# Altium PCB ECE453.PcbDoc
Units mm, origin at the board's own origin, x right, y up, seen from the top; angles counter-clockwise.
Board outline 95 x 95 mm, 2 copper layers (Top Layer, Bottom Layer); 112 components, 115 nets, 362 pads, 204 vias.
Unrouted connection lines stored in the file: 41.
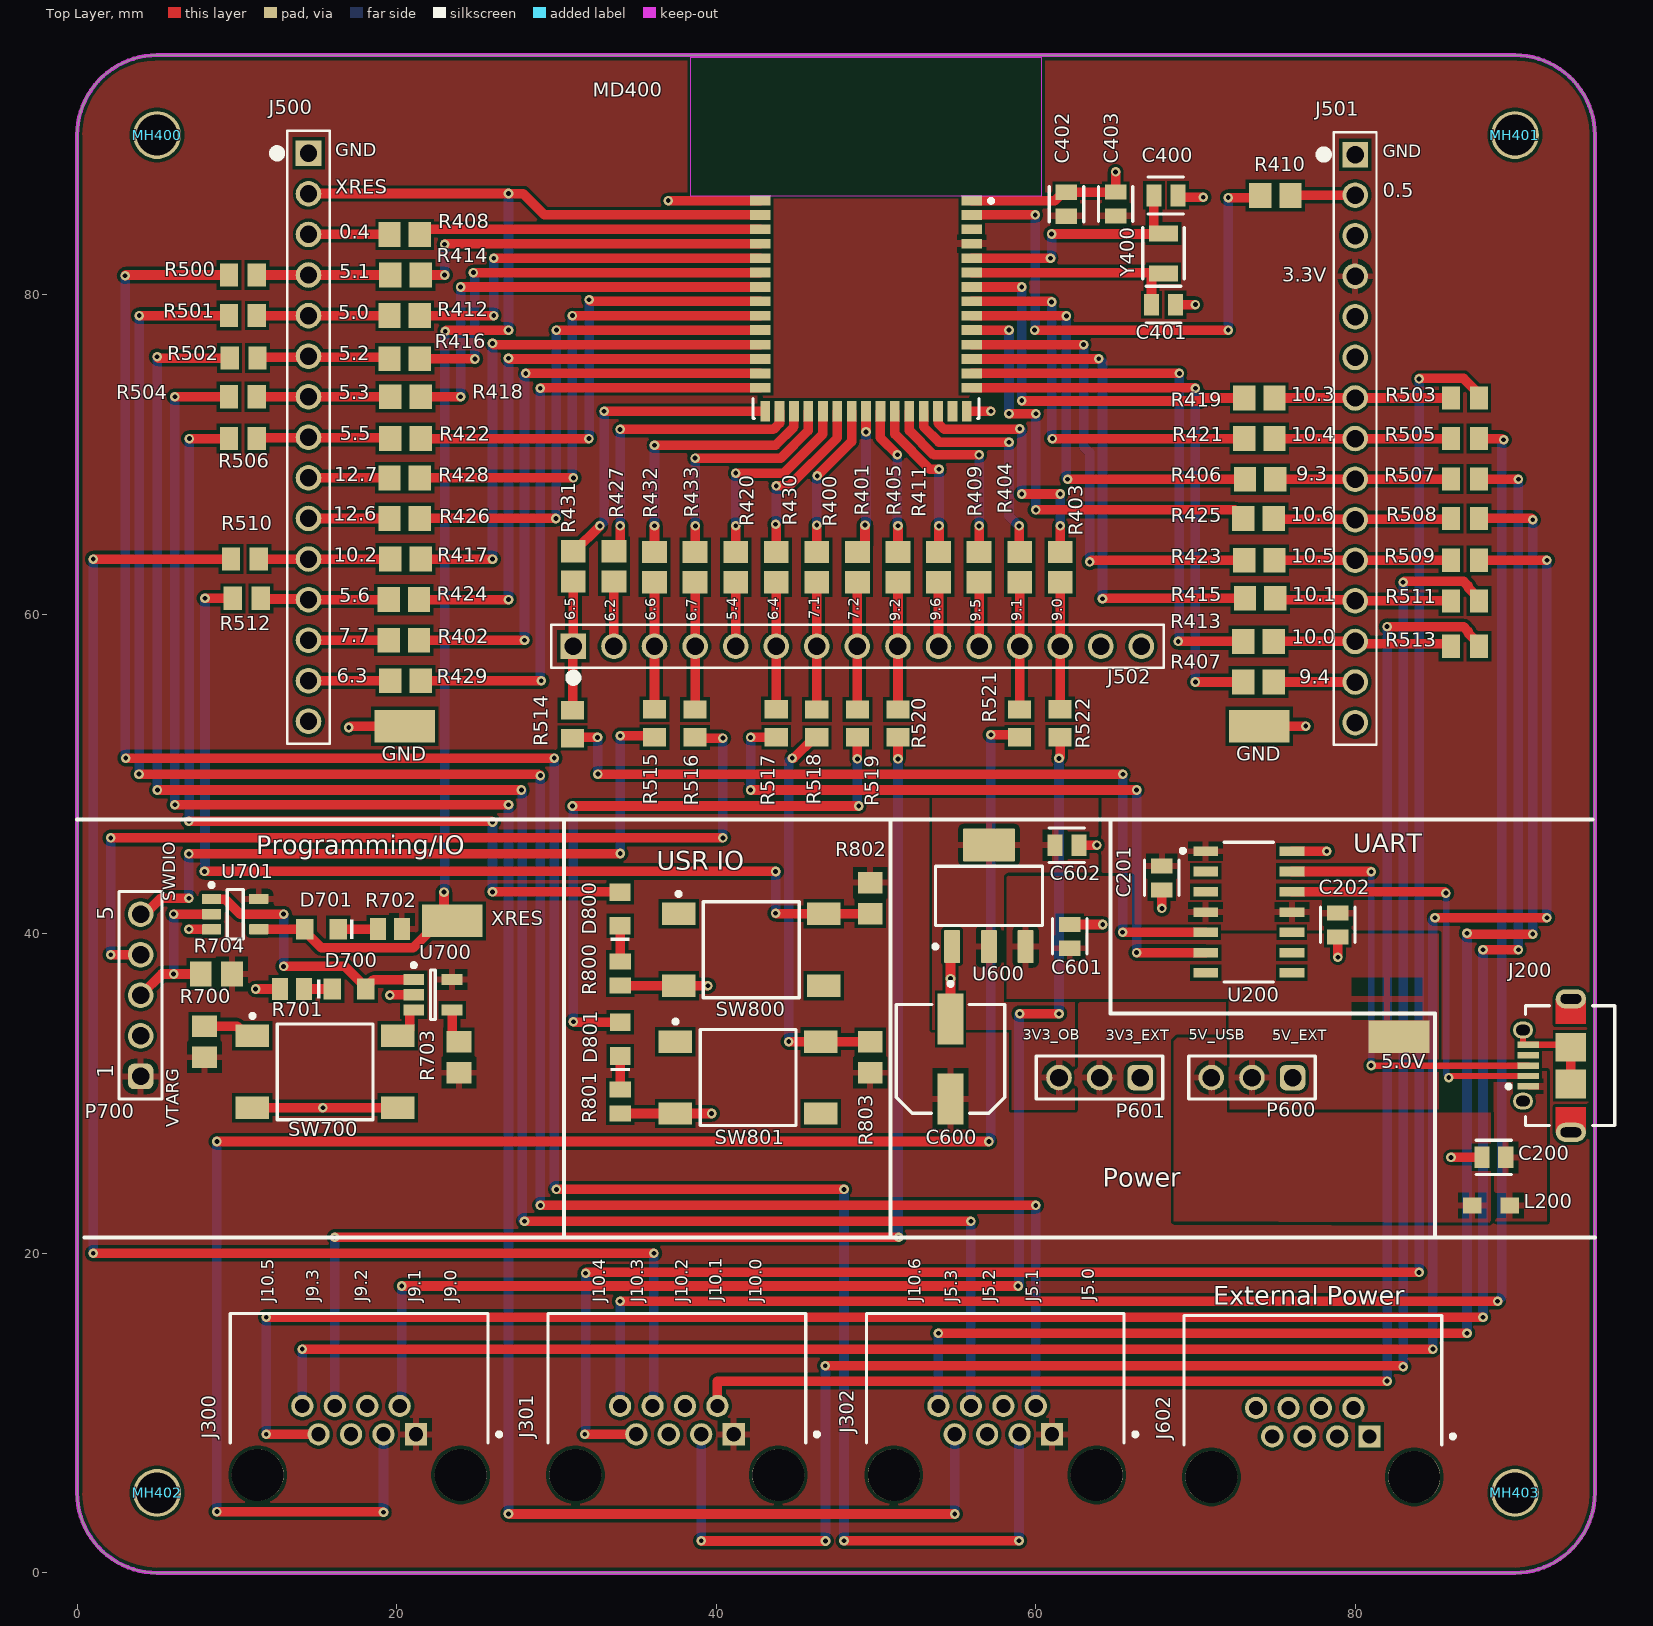
[diagram p0: Top Layer view]
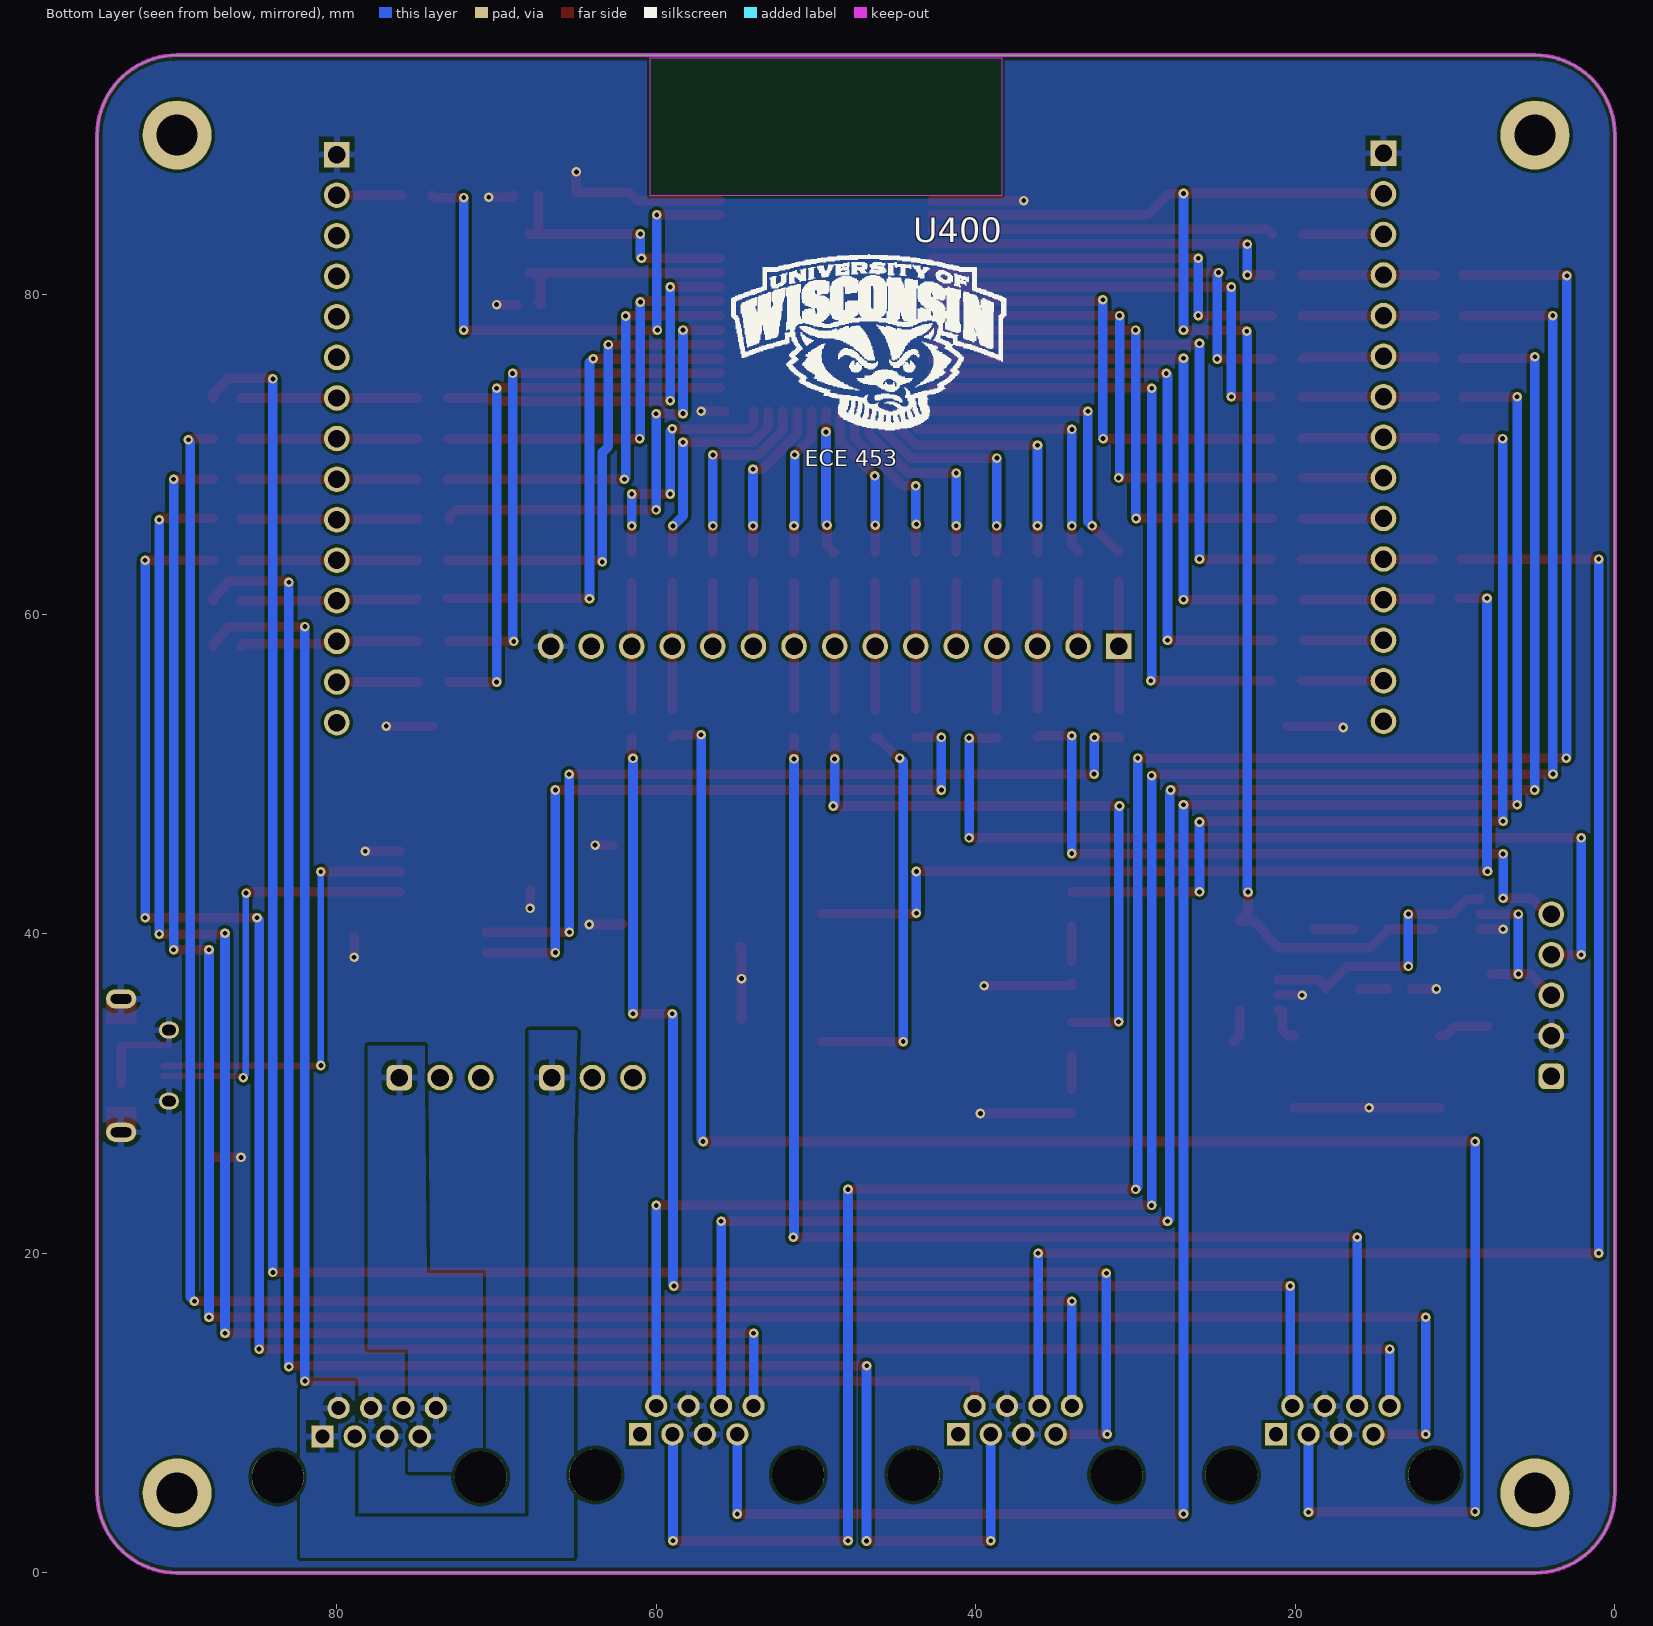
[diagram p1: Bottom Layer view, seen from below]

## Layer stack, top to bottom
Top Solder: solder mask 0.0102, Solder Resist, Dk 3.5
Top Layer: signal copper 0.0356
Dielectric1: dielectric 0.32, FR-4, Dk 4.8
Bottom Layer: signal copper 0.0356
Bottom Solder: solder mask 0.0102, Solder Resist, Dk 3.5

## Board outline
0,5 ccw(c5,5) 5,0 90,0 ccw(c90,5) 95,5 95,90 ccw(c90,90) 90,95 5,95 ccw(c5,90) 0,90

## Design rules (kind name [scope] priority, off if disabled: settings)
Clearance Polygon_Clearance [All vs InPolygon] p1: gap=0.2 ignorepadtopadclearanceinfootprint=FALSE
Clearance [All] p2: gap=0.2 ignorepadtopadclearanceinfootprint=TRUE
ComponentClearance [InComponent('U3')] p1: gap=0 collisioncheckmode=3 verticalgap=0.254 showdistances=FALSE
Height [All] p1: minheight=0 maxheight=75 prefheight=12.7
HoleSize [All] p1: absolutevalues=TRUE maxlimit=6.35 minlimit=0.3 maxpercent=80.000 minpercent=20.000
MinimumAnnularRing [All] p1: minimumring=0.15
MinimumSolderMaskSliver [All] p1: minsoldermaskwidth=0.22
NetAntennae NetAntennae_5.0V [InNet('5.0V')] p1: netantennaetolerance=0
NetAntennae NetAntennae_3.3V [InNet('3.3V')] p2: netantennaetolerance=0
PlaneClearance [All] p1: clearance=0.3
PlaneConnect [All] p1: planeconnectstyle=Relief reliefexpansion=0.3 reliefentries=4 reliefconductorwidth=0.3 reliefairgap=0.3
PolygonConnect ViaConnect [All vs IsVia] p1: connectstyle=Direct reliefconductorwidth=0.381 reliefentries=4 polygonreliefangle="90 Angle" airgapwidth=0.254
PolygonConnect [All] p2: connectstyle=Relief reliefconductorwidth=0.4 reliefentries=4 polygonreliefangle="90 Angle" airgapwidth=0.3
RoutingVias [All] p1: holewidth=0.3 width=0.6 viastyle="Through Hole" minholewidth=0.3 minwidth=0.6 maxholewidth=5 maxwidth=10
SilkToSilkClearance [All] p1: silktosilkclearance=0
SilkToSolderMaskClearance [IsPad] p1: minsilkscreentomaskgap=0 clearancetoexposedcopper=TRUE
SolderMaskExpansion [All] p1: expansion=0.102 istentingtop=FALSE
UnConnectedPin [All] p1 off:
Width [All] p1: maxlimit=10 minlimit=0.2 preferedwidth=0.6
21 further rules are at their usual default settings.

## Classes and differential pairs
component class 08_User_IO: D800 D801 R800 R801 R802 R803 SW800 SW801
component class 07_Programming_Reset: D700 D701 P700 R700 R701 R702 R703 R704 SW700 U700 U701
component class 06_Power: 5.0V C600 C601 C602 GND J600 J601 J602 P600 P601 U600
component class 02_USB_Bridge: C200 C201 C202 J200 L200 U200
component class 05_Mechanical: J500 J501 J502 MH400 MH401 MH402 MH403 R500 R501 R502 R503 R504 R505 R506 R507 R508 R509 R510 R511 R512 R513 R514 R515 R516 R517 R518 R519 R520 R521 R522 U400

## Components (designator, comment, footprint, x,y, rotation, side; value= is the part's Value field where it differs from the comment)
5.0V "" KSTN-5019_V 82.74,33.554 r0 top (schematic designator TP600)
C200 "0.10 uF" FP-C0805C-DN-MFG 88.68,26 r180 top value="0.10 μF"
C201 "10uF" FP-C0805C-DG-MFG 67.903,43.5 r270 top
C202 "10uF" FP-C0805C-DG-MFG 78.916,40.557 r270 top
C400 "6.0 pF" FP-CBR08C-MFG 68.15,86.218 r180 top
C401 "6.0 pF" FP-CBR08C-MFG 68,79.384 r180 top
C402 "10uF" FP-C0805C-DG-MFG 61.926,85.671 r90 top
C403 "10uF" FP-C0805C-DG-MFG 65,85.684 r90 top
C600 "100uF" FP-SD8-MFG 54.668,32.168 r270 top
C601 "10uF" FP-C0805C-DG-MFG 62.135,39.842 r90 top
C602 "10uF" FP-C0805C-DG-MFG 61.956,45.553 r0 top
D700 "150080GS75000" WL-SMCW_0805_150080xx75000 17.02,36.545 r0 top
D701 "150080RS75000" WL-SMCW_0805_150080xx75000 15.283,40.28 r180 top
D800 "150080GS75000" WL-SMCW_0805_150080xx75000 33.986,41.563 r90 top
D801 "150080GS75000" WL-SMCW_0805_150080xx75000 34,33.401 r90 top
GND "" KSTN-5019_V 20.5,53 r0 top (schematic designator TP602)
GND "" KSTN-5019_V 74,53 r0 top (schematic designator TP601)
J200 "47589-0001" MOLX-47589-0001_V 92.004,31.75 r90 top
J300 "RJHSE-5080" FP-RJHSE-5080-MFG 17.65,8.54 r0 top
J301 "RJHSE-5080" FP-RJHSE-5080-MFG 37.54,8.54 r0 top
J302 "RJHSE-5080" FP-RJHSE-5080-MFG 57.47,8.54 r0 top
J500 "68000-115HLF" CONN_15POS_2P54MM 14.482,88.859 r270 top
J501 "68000-115HLF" CONN_15POS_2P54MM 80,88.78 r270 top
J502 "68000-115HLF" CONN_15POS_2P54MM 31.06,58 r0 top
J600 "382811-8" FP-382811-8-MFG 106,35 r90 top
J601 "382811-8" FP-382811-8-MFG 107,28 r90 top
J602 "RJHSE-5080" FP-RJHSE-5080-MFG 77.35,8.413 r0 top
L200 "742792093" SMD-0805 88.493,23 r180 top
MD400 "CYBLE-416045-02" FP-CYBLE-416045-02-MFG 49.381,81.58 r0 top
MH400 "MHOLE_2_55MM" MHOLE_2_55MM 5,90 r0 top
MH401 "MHOLE_2_55MM" MHOLE_2_55MM 90,90 r0 top
MH402 "MHOLE_2_55MM" MHOLE_2_55MM 5,5 r0 top locked
MH403 "MHOLE_2_55MM" MHOLE_2_55MM 90,5 r0 top
P600 "61300311121" 61300311121 73.54,31 r180 top
P601 "61300311121" 61300311121 64,31 r180 top
P700 "61300511121" 61300511121 3.97,36.15 r90 top
R400 "100R" RESC2013X60X40ML20T25 46.3,62.95 r270 top
R401 "100R" RESC2013X60X40ML20T25 48.84,62.95 r270 top
R402 "100R" RESC2013X60X40ML20T25 20.45,58.379 r180 top
R403 "100R" RESC2013X60X40ML20T25 61.54,62.95 r270 top
R404 "100R" RESC2013X60X40ML20T25 59,62.95 r270 top
R405 "100R" RESC2013X60X40ML20T25 51.38,62.95 r270 top
R406 "100R" RESC2013X60X40ML20T25 74.05,68.46 r0 top
R407 "100R" RESC2013X60X40ML20T25 73.95,55.76 r0 top
R408 "100R" RESC2013X60X40ML20T25 20.5,83.779 r0 top
R409 "100R" RESC2013X60X40ML20T25 56.46,62.95 r270 top
R410 "100R" RESC2013X60X40ML20T25 75,86.218 r180 top
R411 "100R" RESC2013X60X40ML20T25 53.92,62.95 r270 top
R412 "100R" RESC2013X60X40ML20T25 20.5,78.699 r0 top
R413 "100R" RESC2013X60X40ML20T25 73.95,58.3 r0 top
R414 "100R" RESC2013X60X40ML20T25 20.55,81.239 r0 top
R415 "100R" RESC2013X60X40ML20T25 74.05,61 r0 top
R416 "100R" RESC2013X60X40ML20T25 20.5,76 r0 top
R417 "100R" RESC2013X60X40ML20T25 20.55,63.459 r180 top
R418 "100R" RESC2013X60X40ML20T25 20.55,73.619 r0 top
R419 "100R" RESC2013X60X40ML20T25 74,73.54 r0 top
R420 "100R" RESC2013X60X40ML20T25 41.22,62.95 r90 top
R421 "100R" RESC2013X60X40ML20T25 74,71 r0 top
R422 "100R" RESC2013X60X40ML20T25 20.55,71 r0 top
R423 "100R" RESC2013X60X40ML20T25 74,63.38 r0 top
R424 "100R" RESC2013X60X40ML20T25 20.45,60.919 r0 top
R425 "100R" RESC2013X60X40ML20T25 73.95,66 r0 top
R426 "100R" RESC2013X60X40ML20T25 20.5,66 r180 top
R427 "100R" RESC2013X60X40ML20T25 33.6,63 r90 top
R428 "100R" RESC2013X60X40ML20T25 20.5,68.539 r180 top
R429 "100R" RESC2013X60X40ML20T25 20.55,55.839 r0 top
R430 "100R" RESC2013X60X40ML20T25 43.76,62.95 r90 top
R431 "100R" RESC2013X60X40ML20T25 31.06,63 r90 top
R432 "100R" RESC2013X60X40ML20T25 36.14,62.95 r90 top
R433 "100R" RESC2013X60X40ML20T25 38.68,62.95 r90 top
R500 "0R" RESC2013X70X40NL20T20 10.375,81.239 r180 top
R501 "0R" RESC2013X70X40NL20T20 10.375,78.699 r180 top
R502 "0R" RESC2013X70X40NL20T20 10.415,76.04 r180 top
R503 "0R" RESC2013X70X40NL20T20 86.875,73.54 r0 top
R504 "0R" RESC2013X70X40NL20T20 10.375,73.619 r180 top
R505 "0R" RESC2013X70X40NL20T20 86.875,71 r0 top
R506 "0R" RESC2013X70X40NL20T20 10.375,71 r180 top
R507 "0R" RESC2013X70X40NL20T20 86.875,68.46 r0 top
R508 "0R" RESC2013X70X40NL20T20 86.875,66 r0 top
R509 "0R" RESC2013X70X40NL20T20 86.875,63.38 r0 top
R510 "0R" RESC2013X70X40NL20T20 10.5,63.459 r180 top
R511 "0R" RESC2013X70X40NL20T20 86.875,60.84 r0 top
R512 "0R" RESC2013X70X40NL20T20 10.625,61 r180 top
R513 "0R" RESC2013X70X40NL20T20 86.875,58 r0 top
R514 "0R" RESC2013X70X40NL20T20 31,53.125 r270 top
R515 "0R" RESC2013X70X40NL20T20 36.14,53.174 r270 top
R516 "0R" RESC2013X70X40NL20T20 38.68,53.167 r270 top
R517 "0R" RESC2013X70X40NL20T20 43.76,53.174 r270 top
R518 "0R" RESC2013X70X40NL20T20 46.3,53.167 r270 top
R519 "0R" RESC2013X70X40NL20T20 48.844,53.167 r270 top
R520 "0R" RESC2013X70X40NL20T20 51.38,53.167 r270 top
R521 "0R" RESC2013X70X40NL20T20 58.986,53.167 r270 top
R522 "0R" RESC2013X70X40NL20T20 61.529,53.174 r270 top
R700 "10kR" RESC2013X70X40ML20T20 7.97,33.249 r270 top
R701 "330R" RESC2013X60X40LL20T25 13.452,36.545 r180 top
R702 "330R" RESC2013X60X40LL20T25 19.57,40.298 r180 top
R703 "10kR" RESC2013X70X40ML20T20 23.895,32.274 r270 top
R704 "10kR" RESC2013X70X40ML20T20 8.715,37.485 r0 top
R800 "330R" RESC2013X60X40LL20T25 33.986,37.508 r270 top
R801 "330R" RESC2013X60X40LL20T25 34,29.5 r270 top
R802 "10kR" RESC2013X70X40ML20T20 49.64,42.23 r90 top
R803 "10kR" RESC2013X70X40ML20T20 49.64,32.275 r270 top
SW700 "" TECO-FSM4JSMA_V 15.52,31.36 r90 top
SW800 "FSM4JSMA" TECO-FSM4JSMA_V 42.195,39 r90 top
SW801 "FSM4JSMA" TECO-FSM4JSMA_V 42,31 r90 top
U200 "MCP2221A-I/SL" FP-C04-065-SL-MFG 73.34,41.36 r0 top
U400 "Bucky" WalkingBucky 47.908,69.781 r180 bottom
U600 "TLV1117LV33DCYT" DCY0004A_M 57.074,42.378 r90 top
U700 "MCP1316T-29LE/OT" SOT-23-OT5_M 22.27,36.185 r0 top
U701 "SN74LVC1G08DBVR" DBV0005A_M 9.89,41.23 r0 top
XRES "" KSTN-5019_V 23.47,40.803 r0 top (schematic designator TP400)
Y400 "32.768 kHz" FP-ABS07-120-MFG 68,82.595 r270 top

## Footprints (in the part's own frame and the unit in brackets; to place one, negate y for a bottom-side part, rotate by r counter-clockwise, add the part's x,y. Pads: shape width x height; smd on the part's side, far side on the other; paste and mask are expansions set on the pad)
61300311121 [mm] "Pin Header, pitch 2.54 mm, THT, Vertical, single row, 3p"
  rrect50% 1.6x1.6 hole 1.1: 1(-2.54,0)
  round 1.6 hole 1.1: 2(0,0) 3(2.54,0)
  silkscreen extent -3.96,-1.35 3.96,1.35, body extent -3.81,-1.27 3.81,1.27, height 8.57
61300511121 [mm] "Pin Header, pitch 2.54 mm, THT, Vertical, single row, 5p"
  rrect50% 1.6x1.6 hole 1.1: 1(-5.08,0)
  round 1.6 hole 1.1: 2(-2.54,0) 3(0,0) 4(2.54,0) 5(5.08,0)
  silkscreen extent -6.5,-1.35 6.5,1.35, body extent -6.35,-1.27 6.35,1.27, height 8.57
CONN_15POS_2P54MM [mil]
  rect 63x63 / inner round 60 / far side rect 63x63 hole 43 paste-99999 mask+0: 1(0,0)
  round 63 / inner round 60 / far side round 63 hole 43 paste-99999 mask+0: 2(100,0) 3(200,0) 4(300,0) 5(400,0) 6(500,0) 7(600,0) 8(700,0) 9(800,0) 10(900,0) 11(1000,0) 12(1100,0) 13(1200,0) 14(1300,0) 15(1400,0)
  silkscreen extent -55,-87 1455,53, body extent -50,-47 1450,47, height 330
DBV0005A_M [mm] "SOT23, 5-Leads, Body 3.05x1.75mm, Pitch 0.95mm, IPC Low Density"
  rrect15% 1.2x0.65 smd: 1(-1.475,0.95) 2(-1.475,0) 3(-1.475,-0.95) 4(1.475,-0.95) 5(1.475,0.95)
  silkscreen extent -1.6,-1.55 0.5,1.95, body extent -1.42,-1.46 1.42,1.46, height 1.08
DCY0004A_M [mm] "SOT223, 4-Leads, Body 6.7x3.7mm, Pitch 2.3mm, IPC Low Density"
  rrect10% 2.05x1 smd: 1(-3.175,2.3) 2(-3.175,0) 3(-3.175,-2.3)
  rrect5% 2.05x3.25 smd: 4(3.175,0)
  silkscreen extent -3.3,-3.35 1.85,3.47, body extent -3.5,-3.25 3.5,3.25, height 1.62
FP-382811-8-MFG [mm]
  body extent -2.64,-3.27 2.64,3.27, height 0.25
FP-ABS07-120-MFG [mm]
  rect 1x1.8 smd paste+0 mask+0: 1(-1.25,0) 2(1.25,0)
  silkscreen extent -1.6,-1.3 1.6,1.3, body extent -1.85,-1 1.85,1, height 0.25
FP-C04-065-SL-MFG [mm]
  rect 1.55x0.6 smd paste+0 mask+0: 1(-2.7,3.81) 2(-2.7,2.54) 3(-2.7,1.27) 4(-2.7,0) 5(-2.7,-1.27) 6(-2.7,-2.54) 7(-2.7,-3.81) 8(2.7,-3.81) 9(2.7,-2.54) 10(2.7,-1.27) 11(2.7,0) 12(2.7,1.27) 13(2.7,2.54) 14(2.7,3.81)
  silkscreen extent -4.25,-4.38 1.55,4.38, body extent -3.57,-4.62 3.57,4.62, height 0.25
FP-C0805C-DG-MFG [mm]
  rect 0.95x1.35 smd paste+0 mask+0: 1(-0.75,0) 2(0.75,0)
  silkscreen extent -1.11,-1.08 1.1,1.07, body extent -1.4,-0.85 1.4,0.85, height 0.25
FP-C0805C-DN-MFG [mm]
  rect 0.95x1.35 smd paste+0 mask+0: 1(-0.75,0) 2(0.75,0)
  silkscreen extent -1.1,-1.07 1.1,1.07, body extent -1.4,-0.85 1.4,0.85, height 0.25
FP-CBR08C-MFG [mm]
  rect 0.95x1.35 smd paste+0 mask+0: 1(-0.75,0) 2(0.75,0)
  silkscreen extent -1.1,-1.15 1.1,1.15, body extent -1.4,-0.85 1.4,0.85, height 0.25
FP-CYBLE-416045-02-MFG [mm]
  rect 1.27x0.61 smd paste+0 mask+0: 1(6.619,4.32) 2(6.619,3.42) 3(6.619,2.52) 4(6.619,1.62) 5(6.619,0.71) 6(6.619,-0.19) 7(6.619,-1.09) 8(6.619,-1.99) 9(6.619,-2.89) 10(6.619,-3.79) 11(6.619,-4.7) 12(6.619,-5.6) 13(6.619,-6.5) 14(6.619,-7.4) 30(-6.619,-7.4) 31(-6.619,-6.5) 32(-6.619,-5.6) 33(-6.619,-4.7) 34(-6.619,-3.79) 35(-6.619,-2.89) 36(-6.619,-1.99) 37(-6.619,-1.09) 38(-6.619,-0.19) 39(-6.619,0.71) 40(-6.619,1.62) 41(-6.619,2.52) 42(-6.619,3.42) 43(-6.619,4.32)
  rect 0.61x1.27 smd paste+0 mask+0: 15(6.31,-8.869) 16(5.41,-8.869) 17(4.51,-8.869) 18(3.61,-8.869) 19(2.71,-8.869) 20(1.8,-8.869) 21(0.9,-8.869) 22(0,-8.869) 23(-0.9,-8.869) 24(-1.8,-8.869) 25(-2.7,-8.869) 26(-3.61,-8.869) 27(-4.51,-8.869) 28(-5.41,-8.869) 29(-6.31,-8.869)
  Keep-Out Layer region: -11,4.63 11,4.63 11,13.25 -11,13.25
  Keep-Out Layer region: -11,4.63 11,4.63 11,13.25 -11,13.25
  silkscreen extent -7.07,-9.33 7.95,4.43, body extent -11,-9.6 11,13.25, height 0.25
FP-RJHSE-5080-MFG [mm]
  rect 1.39x1.39 hole 0.89 paste-1000 mask+0: 1(3.556,0.127)
  round 1.39 hole 0.89 paste-1000 mask+0: 2(2.54,1.905) 3(1.524,0.127) 4(0.508,1.905) 5(-0.508,0.127) 6(-1.524,1.905) 7(-2.54,0.127) 8(-3.556,1.905)
  round 3.25 hole 3.25 unplated paste-1000 mask+0: ""(-6.35,-2.413) ""(6.35,-2.413)
  silkscreen extent -8.06,-0.41 8.89,7.68, body extent -8.16,-7.78 8.16,7.78, height 0.25
FP-SD8-MFG [mm]
  rect 3.2x1.6 smd paste+0 mask+0: 1(-2.5,0) 2(2.5,0)
  silkscreen extent -4.82,-3.4 3.4,3.4, body extent -4.35,-3.65 4.35,3.65, height 0.25
KSTN-5019_V [mm] "Test Point, 1-Leads, Body 3.81x2.03mm"
  rect 3.8x2.03 smd: 1(0,0)
  body extent -1.9,-1.01 1.9,1.02, height 2.29
MHOLE_2_55MM [mm]
  round 3 / inner round 4.572 / far side round 4.318 hole 2.55: 1(0,0)
MOLX-47589-0001_V [mm] "SMD, 5-Leads, Body 7.5x5.6mm, Pitch 0.65mm"
  rect 0.4x1.35 smd: 1(-1.3,1.175) 2(-0.65,1.175) 3(0,1.175) 4(0.65,1.175) 5(1.3,1.175)
  oval 1.05x1.25 hole 0.65 slot 0.85 at 90 deg: 6(-2.225,1.5) 7(2.225,1.5)
  oval 1.2x1.9 hole 0.6 slot 1.3 at 90 deg: 8(-4.175,-1.5) 11(4.175,-1.5)
  rect 1.8x1.9 smd: 9(-1.15,-1.5) 10(1.15,-1.5)
  Top Layer region: 2.6,-2.45 4.175,-2.45 4.175,-0.55 2.6,-0.55
  Top Layer region: -2.6,-0.55 -4.175,-0.55 -4.175,-2.45 -2.6,-2.45
  silkscreen extent -3.75,-4.25 3.75,2.52, body extent -4.32,-4.25 4.32,1.64, height 2.74
RESC2013X60X40LL20T25 [mm] "Chip Resistor, 2-Leads, Body 2.00x1.25mm, IPC High Density"
  rect 1x1.35 smd: 1(-0.75,0) 2(0.75,0)
  body extent -1.1,-0.72 1.1,0.72, height 0.6
RESC2013X60X40ML20T25 [mm] "Chip Resistor, 2-Leads, Body 2.00x1.25mm, IPC Low Density"
  rect 1.4x1.55 smd: 1(-0.95,0) 2(0.95,0)
  body extent -1.1,-0.72 1.1,0.72, height 0.6
RESC2013X70X40ML20T20 [mm] "Chip Resistor, 2-Leads, Body 2.00x1.25mm, IPC Low Density"
  rect 1.35x1.55 smd: 1(-0.975,0) 2(0.975,0)
  body extent -1.1,-0.72 1.1,0.72, height 0.7
RESC2013X70X40NL20T20 [mm] "Chip Resistor, 2-Leads, Body 2.00x1.25mm, IPC Medium Density"
  rect 1.15x1.45 smd: 1(-0.875,0) 2(0.875,0)
  body extent -1.1,-0.72 1.1,0.72, height 0.7
SMD-0805 [mm] "Chip Inductor, 2-Leads, Body 2.0x1.2mm"
  rect 1.15x1 smd: 1(-1.175,0) 2(1.175,0)
  body extent -1,-0.6 1,0.6, height 0.89
SOT-23-OT5_M [mm] "SOT23, 5-Leads, Body 2.9x1.7mm, Pitch 0.95mm, Lead Span 2.8mm, IPC Low Density"
  rect 1.3x0.7 smd: 1(-1.2,0.95) 2(-1.2,0) 3(-1.2,-0.95) 4(1.2,-0.95) 5(1.2,0.95)
  silkscreen extent -1.32,-1.55 0.15,1.97, body extent -0.9,-1.55 0.9,1.55, height 1.45
TECO-FSM4JSMA_V [mm] "SMD, 4-Leads, Body 6x6mm, Pitch 4.5mm"
  rect 1.4x2.1 smd: 1(2.25,4.55) 2(2.25,-4.55) 3(-2.25,4.55) 4(-2.25,-4.55)
  silkscreen extent -3,-3 3.62,4.67, body extent -3,-5 3,5, height 5.08
WalkingBucky [mm]
  silkscreen extent -7.42,1.75 9.8,12.73
WL-SMCW_0805_150080xx75000 [mm] "SMD Mono-color Chip LED, body 2.0x1.25mm"
  rect 1.1x1.3 smd: 1(-1.05,0) 2(1.05,0)
  silkscreen extent -2,-0.6 -1.8,0.6, body extent -1,-0.63 1,0.62, height 0.7
